# KiCad board Logic_tabor.kicad_pcb (continued)
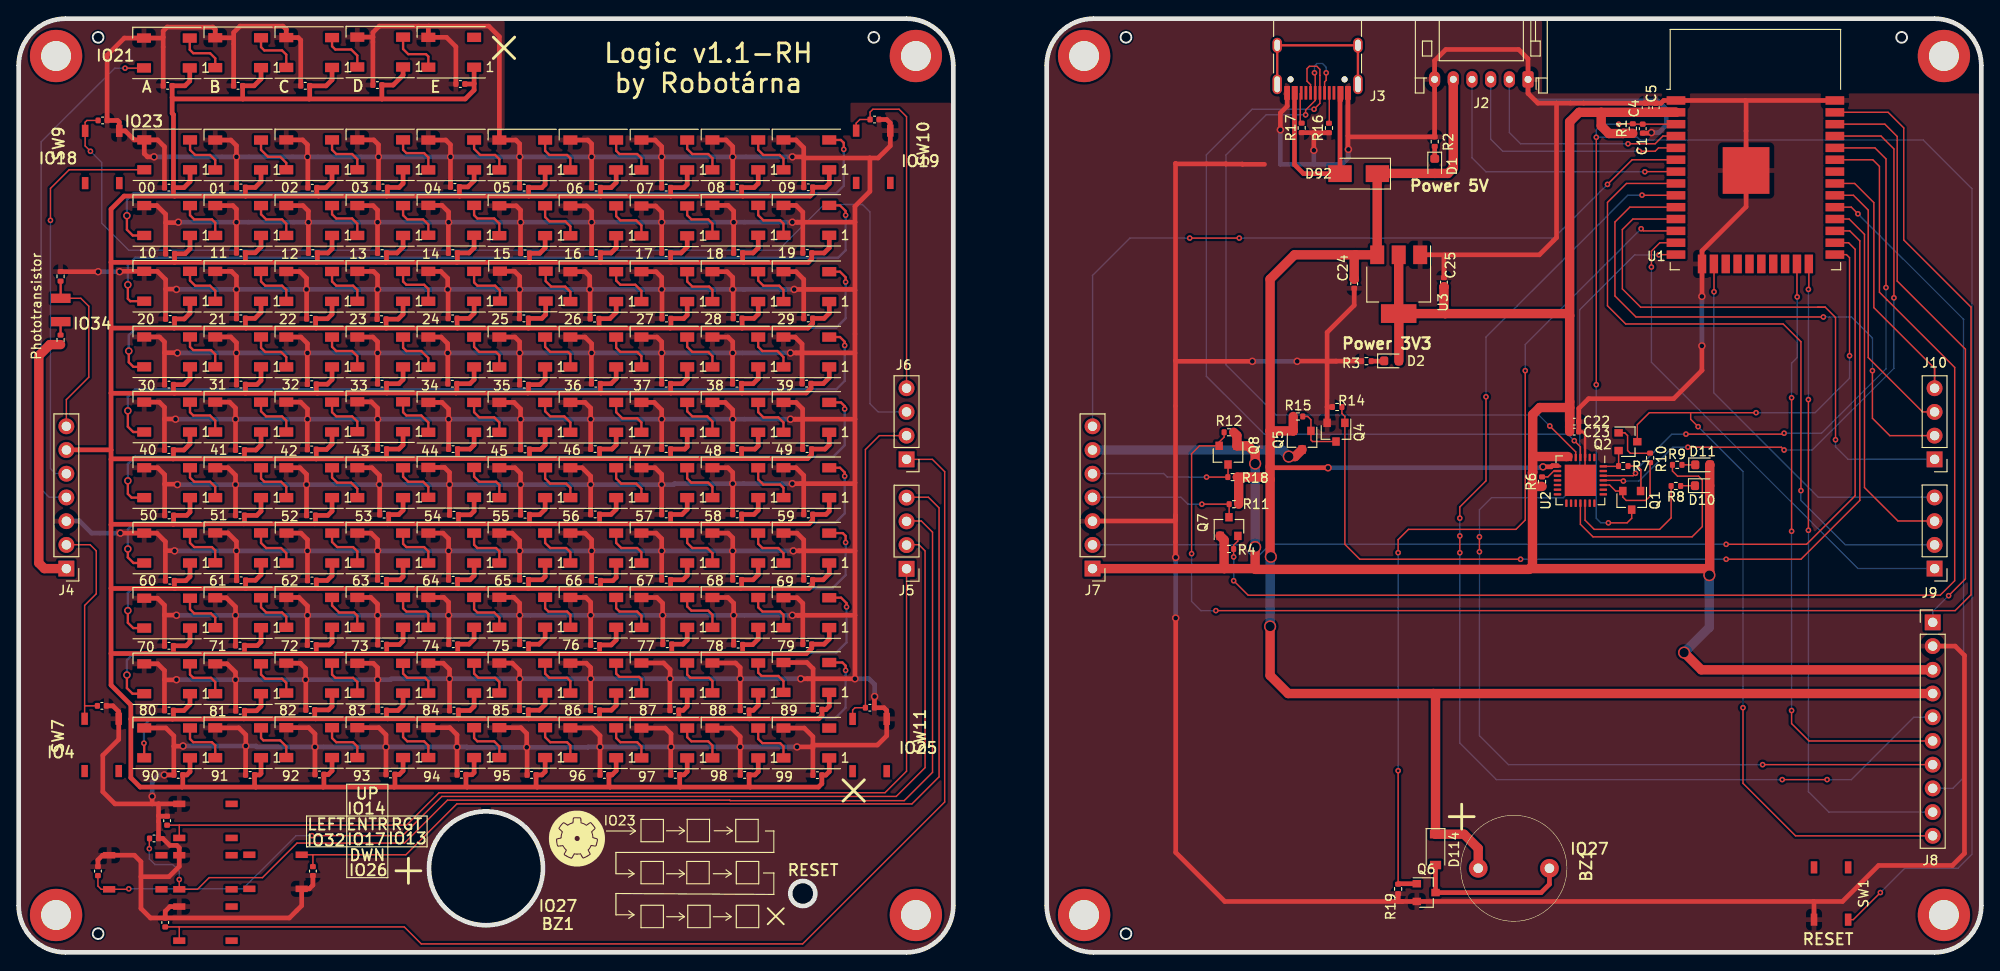
[diagram p0: board, top side]
## Routing (per net, layer and track width the routed paths; a pad name or vN(x,y) marks a point on that pad's centre or on a via; arc(x,y) is an arc through that point) (continued)
/ovladaci_prvky.sch/herni_pole_LED.sch/8.sch/DATA_OUT: length 88.6
  Top w0.25: v1(88.38,65) 88.38,65.4 87.88,65.9 D51.2 ; D52.4 12.25,55.73 11.68,56.3 v2(11.68,58)
  Bottom w0.25: v1(88.38,65) 88.38,61.2 87.48,60.3 12.48,60.3 11.68,59.5 v2(11.68,58)
/ovladaci_prvky.sch/herni_pole_LED.sch/10.sch/DATA_IN: length 5.3
  Top w0.25: D57.4 51.43,56.75 50.88,57.3 49.28,57.3 48.73,57.85 D56.2
/ovladaci_prvky.sch/herni_pole_LED.sch/10.sch/DATA_OUT: length 88.7
  Top w0.25: D61.2 87.98,58.9 88.38,58.5 v1(88.38,58.2) ; D62.4 12.08,48.7 11.68,49.1 v2(11.68,50.5)
  Bottom w0.25: v2(11.68,50.5) 11.68,52.3 12.48,53.1 87.18,53.1 88.38,54.3 v1(88.38,58.2)
/ovladaci_prvky.sch/herni_pole_LED.sch/11.sch/DATA_OUT: length 5.4
  Top w0.25: D67.4 51.43,50.05 51.08,50.4 49.28,50.4 48.73,50.95 D66.2
/ovladaci_prvky.sch/herni_pole_LED.sch/12.sch/DATA_OUT: length 88.7
  Top w0.25: D71.2 87.88,51.9 88.38,51.4 v1(88.38,51) ; D72.4 12.28,41.7 11.68,42.3 v2(11.68,43.2)
  Bottom w0.25: v2(11.68,43.2) 11.68,45.3 12.38,46 87.38,46 88.38,47 v1(88.38,51)
/ovladaci_prvky.sch/herni_pole_LED.sch/13.sch/DATA_OUT: length 5.5
  Top w0.25: D77.4 51.43,42.95 51.08,43.3 49.08,43.3 48.73,43.65 D76.2
/ovladaci_prvky.sch/herni_pole_LED.sch/14.sch/DATA_OUT: length 88.8
  Top w0.25: D81.2 88.18,44.9 88.48,44.6 v1(88.48,43.9) ; D82.4 12.25,34.73 11.68,35.3 v2(11.68,36.6)
  Bottom w0.25: v1(88.48,43.9) 88.48,40.4 87.08,39 12.18,39 11.68,38.5 v2(11.68,36.6)
/ovladaci_prvky.sch/herni_pole_LED.sch/15.sch/DATA_OUT: length 5.4
  Top w0.25: D86.2 48.73,36.75 49.08,36.4 50.88,36.4 51.43,35.85 D87.4
/ovladaci_prvky.sch/herni_pole_LED.sch/16.sch/DATA_OUT: length 89.2
  Top w0.25: v1(88.58,37) 88.58,37.4 88,37.98 D91.2 ; D93.4 12.18,27.7 11.58,28.3 v2(11.58,29.7)
  Bottom w0.25: v1(88.58,37) 88.58,33.2 87.48,32.1 12.38,32.1 11.58,31.3 v2(11.58,29.7)
/ovladaci_prvky.sch/herni_pole_LED.sch/17.sch/DATA_OUT: length 5.4
  Top w0.25: D97.2 48.73,29.85 49.18,29.4 50.98,29.4 51.43,28.95 D98.4
/ovladaci_prvky.sch/herni_pole_LED.sch/18.sch/DATA_OUT: length 85.7
  Top w0.25: v1(88.48,30.2) 88.48,30.7 88.14,31.04 D102.2 ; v1(13.4,22.4) 13.43,22.37 D103.4
  Bottom w0.25: v1(13.4,22.4) 13.4,24.3 14.2,25.1 87.38,25.1 88.48,26.2 v1(88.48,30.2)
/ovladaci_prvky.sch/herni_pole_LED.sch/19.sch/DATA_OUT: length 5.4
  Top w0.25: D107.2 48.73,22.95 49.08,22.6 50.88,22.6 51.43,22.05 D108.4
/ovladaci_prvky.sch/SENZOR_SVETLA: length 19
  Top w0.15: Q3.2 6.65,70.05 7.5,69.2 7.5,61.6 5.1,59.2 J4.7
  Top w0.25: 4.49,70.08 4.49,71.88 R13.1
/ovladaci_prvky.sch/SW_2: length 122.7
  Top w0.15: C11.2 13.98,12.18 v1(13.98,11.1) ; 95,46.2 96.58,46.2 97.78,45 97.78,19.28 94.75,16.25 76.13,16.25 76.08,16.3 45.88,16.3 41.28,11.7 29.78,11.7 26.08,8 20.38,8 19.13,6.75 SW2.1 v1(17.18,7.8)
  Bottom w0.15: v1(17.18,7.8) 17.18,8.7 16.48,9.4 14.58,9.4 13.98,10 v1(13.98,11.1)
/ovladaci_prvky.sch/SW_3: length 105.7
  Top w0.15: 31.43,10.45 41.43,10.45 46.88,15.9 95.58,15.9 98.48,18.8 98.48,47.6 97.34,48.74 95,48.74 ; 31.43,10.45 31.48,10.4 C12.2 ; 31.43,10.45 SW3.1
/ovladaci_prvky.sch/SW_4: length 120.6
  Top w0.15: C13.2 8.48,7.1 8.83,6.75 SW4.1 11.73,6.75 v1(11.78,6.8) ; 95,43.66 96.32,43.66 96.98,43 96.98,19.78 93.9,16.7 45.28,16.7 41.08,12.5 v1(31.38,12.5)
  Bottom w0.15: v1(11.78,6.8) 23.98,6.8 29.68,12.5 v1(31.38,12.5)
/ovladaci_prvky.sch/SW_5: length 104.6
  Top w0.15: 95,41.12 95,19.4 92.7,17.1 44.98,17.1 41.5,13.62 17.2,13.62 ; C14.2 17.2,13.62 ; 17.2,13.62 17.18,13.6 SW5.1
/ovladaci_prvky.sch/SW_7: length 23.4
  Top w0.15: 7.05,26.42 7.05,37.16 8.3,38.4 8.3,43 7.64,43.66 5,43.66 ; 7.05,26.42 7.08,26.4 C126.2 ; 7.05,26.42 SW7.1
/ovladaci_prvky.sch/SW_8: length 131.9
  Top w0.15: SW8.1 17.18,2.7 17.16,2.72 ; 17.16,2.72 41.26,2.72 43.08,0.9 83.88,0.9 99.08,16.1 99.08,51.48 97.76,52.8 J6.1 ; 17.16,2.72 C17.2
/ovladaci_prvky.sch/SW_9: length 123.6
  Top w0.15: v1(7.68,85.8) 7.11,86.37 SW9.1 7.11,88.91 7.3,89.1 C18.2
  Bottom w0.15: v1(7.68,85.8) 8.88,84.6 8.88,78.1 11.78,75.2 81.28,75.2 86.18,80.1 90.28,80.1 91.08,79.3 91.08,58.77 91.97,57.88 J6.3
/ovladaci_prvky.sch/SW_10: length 36.7
  Top w0.15: J6.4 95,89.5 94.2,90.3 91.4,90.3 91.1,90 C19.2 90,89.2 89.61,88.81 SW10.1
/ovladaci_prvky.sch/SW_11: length 35.1
  Top w0.15: SW11.1 89.23,25.95 89.48,26.2 C20.2 90.6,53.85 92.09,55.34 J6.2
/ovladaci_prvky.sch/V_LED_1: length 1299.8
  Top w0.5: 24.07,31.99 24.16,32.08 C96.1 25.53,32.85 25.93,33.25 D83.1 ; 24.07,31.99 16.47,31.99 ; 24.07,31.99 31.89,31.99 ; 31.89,31.99 31.84,32.04 C97.1 33.2,32.92 33.53,33.25 D84.1 ; 31.89,31.99 39.39,31.99 ; 31.83,52.85 39.33,52.85 ; 31.83,52.85 24.23,52.85 ; 31.83,52.85 31.84,52.86 C67.1 32.94,53.86 33.53,54.45 D54.1 ; 39.33,52.85 42.69,52.85 42.72,52.88 84.4,52.88 84.84,53.32 C74.1 86.28,53.9 86.73,54.35 D61.1 ; 39.33,52.85 39.36,52.88 C68.1 40.68,53.9 41.13,54.35 D55.1 ; 77.58,73.9 84.48,73.9 84.86,74.28 C44.1 86.18,74.9 86.73,75.45 D31.1 ; 77.58,73.9 69.78,73.9 ; 77.58,73.9 77.46,74.02 C43.1 78.58,74.9 79.13,75.45 D30.1 ; D64.1 33.53,47.25 33.08,46.8 C77.1 31.76,45.98 31.68,45.9 ; 9.88,45.8 9.88,52.8 ; 9.88,45.8 9.88,39 ; 9.88,45.8 9.93,45.85 16.53,45.85 ; 9.88,52.8 9.88,53.8 ; 9.88,52.8 9.93,52.85 16.53,52.85 ; D109.1 63.93,19.45 63.48,19 C121.1 63.16,17.82 63.28,17.7 ; 16.53,52.85 24.23,52.85 ; 16.53,52.85 16.56,52.88 C65.1 17.68,53.8 18.33,54.45 D52.1 ; 24.23,52.85 24.16,52.92 C66.1 25.38,53.8 25.93,54.35 D53.1 ; D17.1 56.33,82.25 55.98,81.9 C3.1 54.56,81.02 54.58,81 ; 32.08,81 31.9,81.18 C33.1 32.87,81.89 33.53,82.55 D14.1 ; 32.08,81 39.38,81 ; 32.08,81 24.28,81 ; 46.87,31.99 46.98,32.1 C99.1 48.18,33 48.73,33.55 D86.1 ; 46.87,31.99 54.59,31.99 ; 46.87,31.99 39.39,31.99 ; D6.1 41.13,93.95 40.07,92.89 C10.1 38.86,91.42 38.88,91.4 ; D68.1 63.93,47.45 63.38,46.9 C81.1 62.16,45.92 62.18,45.9 ; 24.18,73.9 24.26,73.98 C36.1 25.3,74.92 25.93,75.55 D23.1 ; 24.18,73.9 31.88,73.9 ; 24.18,73.9 16.68,73.9 ; 16.46,24.98 12.02,24.98 12,25 ; 16.46,24.98 19.75,24.98 19.78,25.01 24.09,25.01 ; 16.46,24.98 16.56,25.08 C105.1 17.68,25.9 18.33,26.55 D93.1 ; 9.88,39 9.88,32 ; 9.88,39 9.91,38.97 16.71,38.97 ; D48.1 63.93,61.45 63.38,60.9 C61.1 62.24,59.96 62.29,59.91 ; 39.38,81 47.18,81 ; 39.38,81 39.46,81.08 C34.1 40.7,81.92 41.13,82.35 D15.1 ; D108.1 56.33,19.35 55.98,19 C120.1 55.36,17.82 55.48,17.7 ; 63.28,17.7 70.78,17.7 ; 63.28,17.7 55.48,17.7 ; 62.18,45.9 69.88,45.9 ; 62.18,45.9 54.78,45.9 ; 69.88,45.9 69.76,46.02 C82.1 70.98,46.9 71.53,47.45 D69.1 ; 69.88,45.9 77.38,45.9 ; D5.1 33.53,93.45 32.88,92.8 31.15,92.8 C9.1 31.14,91.46 31.08,91.4 ; 47.98,17.7 55.48,17.7 ; 47.98,17.7 40.18,17.7 ; 47.98,17.7 47.86,17.82 C119.1 48.5,19.02 48.73,19.25 D107.1 ; D63.1 25.93,47.25 25.48,46.8 C76.1 24.16,45.98 24.08,45.9 ; 24.32,66.86 24.26,66.92 C46.1 25.28,67.9 25.93,68.55 D33.1 ; 24.32,66.86 16.64,66.86 ; 24.32,66.86 31.82,66.86 ; 39.49,25.01 47.07,25.01 ; 39.49,25.01 39.36,25.14 C108.1 40.58,25.9 41.13,26.45 D96.1 ; 39.49,25.01 31.77,25.01 ; 47.07,25.01 47.06,25.02 C109.1 48.28,25.9 48.73,26.35 D97.1 ; 47.07,25.01 54.57,25.01 ; D98.1 56.33,26.55 55.71,25.93 C110.1 54.54,25.04 54.57,25.01 ; D22.1 18.33,75.35 17.8,74.82 C35.1 16.68,73.9 ; 39.39,59.91 35.12,59.91 35.09,59.88 31.96,59.88 ; 39.39,59.91 46.79,59.91 ; 39.39,59.91 39.36,59.94 C58.1 40.68,60.9 41.13,61.35 D45.1 ; 40.18,17.7 32.58,17.7 ; 40.18,17.7 40.26,17.78 C118.1 40.73,19.05 41.13,19.45 D106.1 ; 69.72,66.86 69.79,66.93 C52.1 71.16,67.88 71.53,68.25 D39.1 ; 69.72,66.86 77.42,66.86 ; 69.72,66.86 62.14,66.86 ; 69.79,59.91 77.39,59.91 ; 69.79,59.91 62.29,59.91 ; 69.79,59.91 69.76,59.94 C62.1 70.98,60.9 71.53,61.45 D49.1 ; 77.39,59.91 84.27,59.91 84.78,60.42 C64.1 86.09,60.91 86.73,61.55 D51.1 ; 77.39,59.91 77.34,59.96 C63.1 78.58,60.9 79.13,61.45 D50.1 ; D3.1 18.3,93.32 17.79,92.81 C7.1 16.42,91.56 ; D95.1 33.53,26.35 33.14,25.96 C107.1 31.68,25.1 31.77,25.01 ; 16.53,45.85 19.9,45.85 19.95,45.9 24.08,45.9 ; 16.53,45.85 16.58,45.9 C75.1 17.98,46.8 18.33,47.15 D62.1 ; 16.42,91.56 16.42,89.86 16.56,89.72 C31.1 ; 16.42,91.56 16.58,91.4 23.98,91.4 ; 46.79,59.91 46.88,60 C59.1 48.28,60.9 48.73,61.35 D46.1 ; 46.79,59.91 54.47,59.91 ; D88.1 63.93,33.45 63.4,32.92 C101.1 62.16,32.08 62.07,31.99 ; 9.88,59.9 9.9,59.88 16.66,59.88 ; 9.88,59.9 9.88,66.8 ; 9.88,59.9 9.88,53.8 ; 23.98,91.4 23.96,91.42 C8.1 25.19,92.81 25.93,93.55 D4.1 ; 23.98,91.4 31.08,91.4 ; 24.08,45.9 31.68,45.9 ; 70.78,17.7 70.73,17.75 C122.1 71.19,19.01 71.53,19.35 D110.1 ; 70.78,17.7 78.28,17.7 ; D60.1 79.13,54.25 78.78,53.9 C73.1 77.36,52.92 77.38,52.9 ; 24.26,59.88 C56.1 25.49,60.81 25.93,61.25 D43.1 ; 24.26,59.88 31.96,59.88 ; 24.26,59.88 16.66,59.88 ; 31.88,73.9 39.28,73.9 ; 31.88,73.9 31.96,73.98 C37.1 33.08,74.9 33.53,75.35 D24.1 ; 39.28,73.9 46.88,73.9 ; 39.28,73.9 39.36,73.98 C38.1 40.48,74.9 41.13,75.55 D25.1 ; 62.09,25.01 62.16,25.08 C111.1 63.41,25.93 63.93,26.45 D99.1 ; 62.09,25.01 54.57,25.01 ; 62.09,25.01 70.67,25.01 ; D57.1 56.33,54.35 55.85,53.87 C70.1 54.66,52.92 ; D12.1 18.34,82.56 17.68,81.9 C31.1 ; 46.88,73.9 54.68,73.9 ; 46.88,73.9 46.94,73.96 C39.1 48.18,74.9 48.73,75.45 D26.1 ; 62.28,81 62.26,81.02 C6.1 63.38,81.9 63.93,82.45 D18.1 ; 62.28,81 69.78,81 ; 62.28,81 54.58,81 ; 77.37,31.99 77.46,32.08 C103.1 78.53,32.95 79.13,33.55 D90.1 ; 77.37,31.99 84.27,31.99 84.86,32.58 C104.1 86.18,33 86.73,33.55 D91.1 ; 77.37,31.99 69.87,31.99 ; 16.47,31.99 13.57,31.99 13.56,32 9.88,32 ; 16.47,31.99 16.56,32.08 C95.1 17.91,32.83 18.33,33.25 D82.1 ; 77.48,81 84.68,81 84.96,81.28 C21.1 86.32,81.94 86.73,82.35 D21.1 ; 77.48,81 69.78,81 ; 77.48,81 77.36,81.12 C16.1 78.69,81.91 79.13,82.35 D20.1 ; 32.58,17.7 32.66,17.78 C117.1 33.13,19.05 33.53,19.45 D105.1 ; 32.58,17.7 25.38,17.7 ; 33.53,41.7 33.53,40.35 33.01,39.83 C87.1 31.86,39.12 32.01,38.97 ; 17.48,17.7 13,17.7 12,18.7 12,25 ; 17.48,17.7 25.38,17.7 ; 17.48,17.7 17.56,17.78 C115.1 17.98,19 18.33,19.35 D103.1 ; 38.88,91.4 31.08,91.4 ; 38.88,91.4 47.78,91.4 48.73,92.35 48.73,93.05 ; D67.1 56.33,47.45 55.75,46.87 C80.1 54.66,46.02 54.78,45.9 ; 46.94,66.86 54.54,66.86 ; 46.94,66.86 39.34,66.86 ; 46.94,66.86 46.91,66.89 C49.1 48.18,67.9 48.73,68.45 D36.1 ; 54.54,66.86 62.14,66.86 ; 54.54,66.86 C50.1 55.98,67.9 56.39,68.31 D37.1 ; D28.1 63.93,75.45 63.38,74.9 C41.1 62.26,73.92 62.28,73.9 ; 69.87,31.99 69.88,32 C102.1 71.08,33 71.53,33.45 D89.1 ; 69.87,31.99 62.07,31.99 ; 24.31,38.97 24.28,39 C86.1 25.33,39.85 25.93,40.45 D73.1 ; 24.31,38.97 16.71,38.97 ; 24.31,38.97 32.01,38.97 ; 77.25,38.97 77.36,39.08 C93.1 78.58,39.9 79.13,40.45 D80.1 ; 77.25,38.97 84.55,38.97 84.96,39.38 C94.1 86.08,39.9 86.73,40.55 D81.1 ; 77.25,38.97 69.81,38.97 ; D32.1 18.33,68.45 17.72,67.84 C45.1 16.68,66.9 16.64,66.86 ; 62.31,38.97 69.81,38.97 ; 62.31,38.97 54.51,38.97 ; 62.31,38.97 62.26,39.02 C91.1 63.58,39.8 63.93,40.15 D78.1 ; 69.81,38.97 69.76,39.02 C92.1 71.08,39.9 71.53,40.35 D79.1 ; 16.68,73.9 9.88,73.9 ; 9.88,73.9 9.88,66.8 ; 9.88,73.9 9.88,79.6 11.28,81 16.68,81 ; 16.64,66.86 9.94,66.86 9.88,66.8 ; 54.47,59.91 54.56,60 C60.1 55.78,60.8 56.33,61.35 D47.1 ; 54.47,59.91 62.29,59.91 ; 16.68,81 24.28,81 ; 16.68,81 16.56,81.12 C31.1 ; 24.28,81 24.26,81.02 C32.1 25.3,81.92 25.93,82.55 D13.1 ; 70.67,25.01 78.17,25.01 ; 70.67,25.01 70.64,25.04 C112.1 71.1,25.92 71.53,26.35 D100.1 ; 78.17,25.01 85.59,25.01 85.96,25.38 C114.1 86.38,26 86.73,26.35 D102.1 ; 78.17,25.01 78.16,25.02 C113.1 78.6,25.92 79.13,26.45 D101.1 ; 16.71,38.97 16.66,39.02 C85.1 17.88,39.8 18.33,40.25 D72.1 ; 62.07,31.99 54.59,31.99 ; 62.28,73.9 69.78,73.9 ; 62.28,73.9 54.68,73.9 ; 69.78,73.9 69.76,73.92 C42.1 70.88,74.9 71.53,75.55 D29.1 ; 9.88,32 9.88,28.62 12,26.5 12,25 ; 54.59,31.99 54.56,32.02 C100.1 55.68,33 56.33,33.65 D87.1 ; D65.1 41.13,47.35 40.66,46.88 C78.1 39.59,46.01 39.48,45.9 ; 25.38,17.7 25.24,17.84 C116.1 25.78,19 25.93,19.15 D104.1 ; 39.34,66.86 31.82,66.86 ; 39.34,66.86 39.31,66.89 C48.1 40.6,67.82 41.13,68.35 D35.1 ; D71.1 86.73,47.25 86.38,46.9 C84.1 84.96,46.28 84.58,45.9 77.38,45.9 ; D85.1 41.13,33.35 40.74,32.96 C98.1 39.38,32 39.39,31.99 ; 54.68,73.9 54.66,73.92 C40.1 55.75,74.87 56.33,75.45 D27.1 ; 9.88,53.8 9.86,53.82 5,53.82 ; D58.1 63.93,54.35 63.48,53.9 C71.1 62.16,53.02 ; D77.1 56.33,40.25 55.98,39.9 C90.1 54.56,39.02 54.51,38.97 ; D76.1 48.73,40.35 48.28,39.9 C89.1 46.96,39.02 47.01,38.97 ; 47.18,81 47.16,81.02 C2.1 48.06,81.98 48.73,82.65 D16.1 ; 47.18,81 54.58,81 ; 39.41,38.97 39.36,39.02 C88.1 40.78,39.9 41.13,40.25 D75.1 ; 39.41,38.97 32.01,38.97 ; 39.41,38.97 47.01,38.97 ; 69.78,81 69.76,81.02 C15.1 71.18,81.9 71.53,82.25 D19.1 ; D38.1 63.93,68.55 63.25,67.87 C51.1 62.1,66.9 62.14,66.86 ; 16.66,59.88 16.56,59.98 C55.1 17.68,60.8 18.33,61.45 D42.1 ; 54.51,38.97 47.01,38.97 ; 78.28,17.7 78.16,17.82 C123.1 78.78,19 79.13,19.35 D111.1 ; 78.28,17.7 85.58,17.7 85.94,18.06 C124.1 86.36,18.98 86.73,19.35 D112.1 ; D41.1 86.73,68.45 86.18,67.9 C54.1 84.96,67.38 84.44,66.86 77.42,66.86 ; 31.96,59.88 31.84,60 C57.1 33.03,60.85 33.53,61.35 D44.1 ; 77.42,66.86 77.41,66.87 C53.1 78.68,67.9 79.13,68.35 D40.1 ; 24.09,25.01 24.18,25.1 C106.1 25.45,25.87 25.93,26.35 D94.1 ; 24.09,25.01 31.77,25.01 ; 48.73,93.05 48.68,93 C125.1 ; 48.73,93.05 D113.1 ; D56.1 48.73,54.35 48.28,53.9 C69.1 46.96,53.02 ; 47.18,45.9 47.06,46.02 C79.1 48.34,46.86 48.73,47.25 D66.1 ; 47.18,45.9 39.48,45.9 ; 47.18,45.9 54.78,45.9 ; 77.38,45.9 77.36,45.92 C83.1 78.68,46.9 79.13,47.35 D70.1 ; 31.68,45.9 39.48,45.9 ; 31.82,66.86 31.77,66.91 C47.1 33.04,67.86 33.53,68.35 D34.1 ; 69.78,52.9 69.76,52.92 C72.1 71.28,53.9 71.53,54.15 D59.1
DATA_HERNI_LED_LS: length 166.3
  Top w0.15: U1.37 200.03,89.97 201.7,88.3 201.7,76.3 208.9,69.1 208.9,38.3 207.2,36.6 v1(128.1,36.6) ; v1(125.5,42.7) 125.5,53.4 126.35,54.25 Q8.2 128.45,54.65 128.98,55.18 R12.2
  Bottom w0.15: v1(128.1,36.6) 126.5,36.6 125.5,37.6 v1(125.5,42.7)
DATA_ZADANI_LED_LS: length 136.2
  Top w0.15: U1.33 198.39,84.89 199.1,84.18 199.1,70.7 199.9,69.9 207.15,62.65 207.15,39.8 205.6,38.25 131.55,38.25 v1(130,39.8) ; v1(130,42.35) R4.2 130,43.6 130.45,44.05 Q7.2
  Bottom w0.15: v1(130,39.8) v1(130,42.35)
EN: length 185.5
  Top w0.15: SW1.1 196.3,3.5 v1(199.2,6.4) ; v1(171.2,88.7) 171.24,88.74 R1.2 172.75,88.7 C1.1 U1.3 ; v1(168.8,60.8) v1(168.8,87.3) ; Q1.3 172.59,46.49 172.1,46 v1(170.1,46)
  Bottom w0.15: v1(199.2,6.4) 201.8,9 207.5,9 209,10.5 209,81.8 203.8,87 173.5,87 173.2,87.3 v1(168.8,87.3) 168.8,88.1 169.4,88.7 v1(171.2,88.7) ; v1(168.8,60.8) 168.8,46.5 169.3,46 v1(170.1,46)
IO0: length 106.2
  Top w0.15: 178.9,57.8 v1(185.9,57.8) ; 178.9,57.8 174.48,57.8 173.19,56.51 Q2.3 ; 178.9,57.8 178.9,57.1 v1(179.7,56.3) ; v1(184.5,26.2) 184.5,18.1 190.12,12.48 205.2,12.48 ; U1.25 195.57,74.73 195.9,74.4 v1(195.9,63.9)
  Bottom w0.15: v1(179.7,56.3) 184.5,51.5 v1(184.5,26.2) ; v1(195.9,63.9) 195.9,61.5 192.2,57.8 v1(185.9,57.8)
IO2: length 71.2
  Top w0.15: 191.54,73.73 191.54,71.05 v1(191.5,71) ; v1(191.5,59.2) v1(191.5,45.2)
  Bottom w0.15: v1(191.5,45.2) 191.5,17.2 193.68,15.02 205.2,15.02 ; v1(191.5,71) v1(191.5,59.2)
IO5: length 71.2
  Top w0.15: v1(196.8,79.1) 196.09,79.81 U1.29
  Bottom w0.15: 205.2,17.56 206.96,17.56 208.1,18.7 208.1,67.8 v1(196.8,79.1)
IO12: length 117.5
  Top w0.15: 205.2,20.1 v1(186.6,20.1) ; U1.14 175.53,74.73 v1(175.5,74.7) ; v1(156.3,42.9) v1(156.3,44.5)
  Bottom w0.15: v1(156.3,42.9) 156.3,23.2 159.4,20.1 v1(186.6,20.1) ; v1(175.5,74.7) 172.9,74.7 167.03,68.83 167.03,50.43 165.3,48.7 157.6,48.7 156.3,47.4 v1(156.3,44.5)
IO15: length 65.8
  Top w0.15: U1.23 190.28,70.22 v1(190.3,70.2) ; 205.2,22.64 191.56,22.64 189.7,24.5 v1(189.7,25.9) ; v1(189.7,59.4) v1(189.7,45.1)
  Bottom w0.15: v1(190.3,70.2) 190.3,63.7 189.7,63.1 v1(189.7,59.4) ; v1(189.7,45.1) v1(189.7,25.9)
IO22: length 63.7
  Top w0.15: U1.36 199.68,88.7 201,87.38 201,71.9 208.3,64.6 208.3,40 v1(206.5,38.2)
  Bottom w0.15: v1(206.5,38.2) 204.8,36.5 J8.1
IO33: length 126.7
  Top w0.15: v1(154.2,46.5) 154.2,47.7 157,50.5 v1(157,59.5) ; v1(154.2,44.6) v1(154.2,42.8) ; U1.9 173.72,81.08 v1(173.7,81.1) ; v1(188.7,18.5) v1(193.5,18.5)
  Bottom w0.15: 205.2,25.18 202.78,25.18 196.1,18.5 v1(193.5,18.5) ; v1(154.2,42.8) 154.2,22.4 158.1,18.5 v1(188.7,18.5) ; v1(154.2,46.5) v1(154.2,44.6) ; v1(173.7,81.1) 172.2,81.1 157,65.9 v1(157,59.5)
PIEZO: length 93.6
  Top w0.15: v1(147.6,42.8) 147.6,44.2 148.7,45.3 160.2,45.3 161.2,46.3 v1(161.2,62.3) ; R19.2 v1(147.6,19.45) ; U1.12 173.83,77.27 v1(173.6,77.5)
  Top w0.5: Q6.1 147.65,7.35 R19.2
  Bottom w0.15: v1(161.2,62.3) 161.2,65.1 v1(173.6,77.5) ; v1(147.6,42.8) v1(147.6,19.45)
RX_ESP: length 63.6
  Top w0.15: U1.34 198.62,86.16 199.8,84.98 v1(199.8,71.2) ; v1(173,51.3) 172.75,51.05 U2.26 ; v1(188.9,55.6) 188.8,55.5 v1(178.4,55.5)
  Bottom w0.15: v1(188.9,55.6) 192.9,55.6 199.8,62.5 v1(199.8,71.2) ; v1(173,51.3) 173,51.6 176.9,55.5 v1(178.4,55.5)
TX_ESP: length 66.8
  Top w0.15: U2.25 171.62,50.55 v1(171.7,50.48) ; v1(178.6,54.1) 188.6,54.1 v1(188.9,53.8) ; U1.35 199.27,87.43 200.65,86.05 v1(200.65,70.1)
  Bottom w0.15: v1(178.6,54.1) 177,54.1 173.38,50.48 v1(171.7,50.48) ; v1(200.65,70.1) 200.65,62.55 191.9,53.8 v1(188.9,53.8)
VSTUP1: length 26.9
  Top w0.15: v1(173.4,85.8) 175.1,85.8 175.46,86.16 U1.5
  Bottom w0.15: v1(173.4,85.8) 158.8,85.8 157.5,87.1 J2.3
VSTUP2: length 24.4
  Top w0.15: U1.4 175.93,87.43 175.1,86.6 v1(172.2,86.6)
  Bottom w0.15: v1(172.2,86.6) 160.7,86.6 159.5,87.8 J2.2
VSTUP3: length 30.9
  Top w0.15: U1.7 174.02,83.62 v1(174,83.6)
  Bottom w0.15: J2.4 155.5,85.1 157,83.6 v1(174,83.6)
ZAPINANI_1_CAST_LED: length 104.1
  Top w0.15: v1(182.7,42.1) 190.7,42.1 197,48.4 197,76.2 195.93,77.27 U1.27 ; R14.1 141.58,57.72 141.9,57.4 Q4.1 141.9,43.7 143.5,42.1 v1(160.7,42.1)
  Bottom w0.15: v1(182.7,42.1) v1(160.7,42.1)
Net-(BZ1-Pad2): length 17.2
  Top w0.5: D114.2 Q6.3 162.9,6.4 163.79,7.29 BZ1.2
Net-(D1-Pad1): length 1.3
  Top w0.5: D1.1 151.51,85 R2.2
Net-(D2-Pad1): length 1.4
  Top w0.5: R3.2 146.08,63.32 D2.1
Net-(D3-Pad2): length 5.4
  Top w0.25: D4.4 21.03,95.75 20.48,96.3 18.68,96.3 18.3,96.68 D3.2
Net-(D4-Pad2): length 5.4
  Top w0.25: D5.4 28.63,96.15 28.18,96.6 26.28,96.6 25.93,96.95 D4.2
Net-(D5-Pad2): length 5.3
  Top w0.25: D6.4 36.23,96.05 35.58,96.7 33.88,96.7 33.53,97.05 D5.2
Net-(D10-Pad1): length 1.5
  Top w0.15: R8.1 177.86,49.98 D10.1
Net-(D11-Pad1): length 1.4
  Top w0.15: D11.1 R9.1
Net-(D12-Pad2): length 5.3
  Top w0.25: D12.2 18.34,85.94 18.88,85.4 20.48,85.4 21.03,84.85 D13.4
Net-(D13-Pad2): length 5.1
  Top w0.25: D13.2 25.93,85.95 26.68,85.2 27.98,85.2 28.63,84.55 D14.4
Net-(D14-Pad2): length 5.3
  Top w0.25: D15.4 36.23,84.95 35.68,85.5 33.98,85.5 33.53,85.95 D14.2
Net-(D15-Pad2): length 5.4
  Top w0.25: D15.2 41.13,85.95 41.48,85.6 43.38,85.6 43.83,85.15 D16.4
Net-(D17-Pad2): length 5.4
  Top w0.25: D18.4 59.03,85.05 58.68,85.4 56.78,85.4 56.33,85.85 D17.2
Net-(D18-Pad2): length 5.4
  Top w0.25: D19.4 66.63,85.05 66.18,85.5 64.28,85.5 63.93,85.85 D18.2
Net-(D19-Pad2): length 5.3
  Top w0.25: D19.2 71.53,86.05 72.08,85.5 73.78,85.5 74.23,85.05 D20.4
Net-(D20-Pad2): length 5.3
  Top w0.25: D21.4 81.83,85 81.43,85.4 79.68,85.4 79.13,85.95 D20.2
Net-(D22-Pad2): length 5.4
  Top w0.25: D23.4 21.03,78.15 20.68,78.5 18.78,78.5 18.33,78.95 D22.2
Net-(D23-Pad2): length 5.3
  Top w0.25: D23.2 25.93,79.05 26.48,78.5 28.18,78.5 28.63,78.05 D24.4
Net-(D24-Pad2): length 5.3
  Top w0.25: D25.4 36.23,78.05 35.68,78.6 33.98,78.6 33.53,79.05 D24.2
Net-(D25-Pad2): length 5.3
  Top w0.25: D26.4 43.83,77.95 43.28,78.5 41.58,78.5 41.13,78.95 D25.2
Net-(D27-Pad2): length 5.3
  Top w0.25: D28.4 59.03,77.75 58.48,78.3 56.78,78.3 56.33,78.75 D27.2
Net-(D28-Pad2): length 5.3
  Top w0.25: D28.2 63.93,78.85 64.38,78.4 66.08,78.4 66.63,77.85 D29.4
Net-(D29-Pad2): length 5.3
  Top w0.25: D29.2 71.53,78.95 71.98,78.5 73.78,78.5 74.23,78.05 D30.4
Net-(D30-Pad2): length 5.4
  Top w0.25: D31.4 81.83,78.05 81.48,78.4 79.68,78.4 79.13,78.95 D30.2
Net-(D32-Pad2): length 5.3
  Top w0.25: D32.2 18.33,71.95 18.88,71.4 20.48,71.4 21.03,70.85 D33.4
Net-(D33-Pad2): length 5.4
  Top w0.25: D33.2 25.93,71.85 26.38,71.4 28.18,71.4 28.63,70.95 D34.4
Net-(D34-Pad2): length 5.4
  Top w0.25: D35.4 36.23,70.95 35.78,71.4 33.98,71.4 33.53,71.85 D34.2
Net-(D35-Pad2): length 5.4
  Top w0.25: D36.4 43.83,71.05 43.38,71.5 41.48,71.5 41.13,71.85 D35.2
Net-(D37-Pad2): length 5.2
  Top w0.25: D38.4 59.03,70.75 58.48,71.3 56.98,71.3 56.39,71.89 D37.2
Net-(D38-Pad2): length 5.3
  Top w0.25: D38.2 63.93,71.95 64.38,71.5 65.98,71.5 66.63,70.85 D39.4
Net-(D39-Pad2): length 5.4
  Top w0.25: D39.2 71.53,71.85 72.08,71.3 73.88,71.3 74.23,70.95 D40.4
Net-(D40-Pad2): length 5.3
  Top w0.25: D41.4 81.83,70.95 81.38,71.4 79.68,71.4 79.13,71.95 D40.2
Net-(D42-Pad2): length 5.4
  Top w0.25: D43.4 21.03,64.05 20.58,64.5 18.68,64.5 18.33,64.85 D42.2
Net-(D43-Pad2): length 5.3
  Top w0.25: D43.2 25.93,64.75 26.38,64.3 28.08,64.3 28.63,63.75 D44.4
Net-(D44-Pad2): length 5.3
  Top w0.25: D44.2 33.53,64.85 33.98,64.4 35.68,64.4 36.23,63.85 D45.4
Net-(D45-Pad2): length 5.3
  Top w0.25: D46.4 43.83,63.65 43.08,64.4 41.48,64.4 41.13,64.75 D45.2
Net-(D47-Pad2): length 5.4
  Top w0.25: D48.4 59.03,64.05 58.78,64.3 56.88,64.3 56.33,64.85 D47.2
Net-(D48-Pad2): length 5.4
  Top w0.25: D49.4 66.63,63.85 66.18,64.3 64.38,64.3 63.93,64.75 D48.2
Net-(D49-Pad2): length 5.3
  Top w0.25: D50.4 74.23,63.85 73.78,64.3 72.08,64.3 71.53,64.85 D49.2
Net-(D50-Pad2): length 5.3
  Top w0.25: D51.4 81.83,63.75 81.18,64.4 79.58,64.4 79.13,64.85 D50.2
Net-(D52-Pad2): length 5.4
  Top w0.25: D52.2 18.33,57.85 18.68,57.5 20.48,57.5 21.03,56.95 D53.4
Net-(D53-Pad2): length 5.3
  Top w0.25: D53.2 25.93,57.95 26.48,57.4 28.18,57.4 28.63,56.95 D54.4
Net-(D54-Pad2): length 5.3
  Top w0.25: D55.4 36.23,56.85 35.68,57.4 33.98,57.4 33.53,57.85 D54.2
Net-(D55-Pad2): length 5.3
  Top w0.25: D56.4 43.83,56.75 43.08,57.5 41.48,57.5 41.13,57.85 D55.2
Net-(D57-Pad2): length 5.2
  Top w0.25: D57.2 56.33,57.95 56.88,57.4 58.38,57.4 59.03,56.75 D58.4
Net-(D58-Pad2): length 5.3
  Top w0.25: D59.4 66.63,56.75 66.18,57.2 64.58,57.2 63.93,57.85 D58.2
Net-(D59-Pad2): length 5.3
  Top w0.25: D59.2 71.53,57.95 72.08,57.4 73.68,57.4 74.23,56.85 D60.4
Net-(D60-Pad2): length 5.3
  Top w0.25: D60.2 79.13,57.85 79.68,57.3 81.28,57.3 81.83,56.75 D61.4
Net-(D62-Pad2): length 5.3
  Top w0.25: D63.4 21.03,49.85 20.48,50.4 18.78,50.4 18.33,50.85 D62.2
Net-(D63-Pad2): length 5.4
  Top w0.25: D63.2 25.93,50.75 26.28,50.4 28.08,50.4 28.63,49.85 D64.4
Net-(D64-Pad2): length 5.2
  Top w0.25: D65.4 36.23,49.65 35.58,50.3 34.08,50.3 33.53,50.85 D64.2
Net-(D65-Pad2): length 5.2
  Top w0.25: D65.2 41.13,50.95 41.68,50.4 43.28,50.4 43.83,49.85 D66.4
Net-(D67-Pad2): length 5.3
  Top w0.25: D67.2 56.33,50.75 56.88,50.2 58.58,50.2 59.03,49.75 D68.4
Net-(D68-Pad2): length 5.3
  Top w0.25: D69.4 66.63,49.65 66.08,50.2 64.48,50.2 63.93,50.75 D68.2
Net-(D69-Pad2): length 5.4
  Top w0.25: D70.4 74.23,49.85 73.78,50.3 71.98,50.3 71.53,50.75 D69.2
Net-(D70-Pad2): length 5.4
  Top w0.25: D70.2 79.13,50.65 79.68,50.1 81.48,50.1 81.83,49.75 D71.4
Net-(D72-Pad2): length 5.4
  Top w0.25: D73.4 21.03,43.05 20.68,43.4 18.78,43.4 18.33,43.85 D72.2
Net-(D73-Pad2): length 5.3
  Top w0.25: 28.63,41.7 28.63,42.75 28.08,43.3 26.48,43.3 25.93,43.85 D73.2
Net-(D74-Pad2): length 5.3
  Top w0.25: 33.53,44.9 33.53,43.95 34.08,43.4 35.78,43.4 36.23,42.95 D75.4
Net-(D75-Pad2): length 5.4
  Top w0.25: D76.4 43.83,42.95 43.38,43.4 41.48,43.4 41.13,43.75 D75.2
Net-(D77-Pad2): length 5.3
  Top w0.25: D77.2 56.33,43.85 56.88,43.3 58.58,43.3 59.03,42.85 D78.4
Net-(D78-Pad2): length 5.3
  Top w0.25: D79.4 66.63,42.85 66.18,43.3 64.48,43.3 63.93,43.85 D78.2
Net-(D79-Pad2): length 5.3
  Top w0.25: D79.2 71.53,43.85 72.08,43.3 73.68,43.3 74.23,42.75 D80.4
Net-(D80-Pad2): length 5.3
  Top w0.25: D80.2 79.13,43.75 79.58,43.3 81.28,43.3 81.83,42.75 D81.4
Net-(D82-Pad2): length 5.3
  Top w0.25: D83.4 21.03,35.85 20.58,36.3 18.78,36.3 18.33,36.75 D82.2
Net-(D83-Pad2): length 5.3
  Top w0.25: D83.2 25.93,36.95 26.48,36.4 28.18,36.4 28.63,35.95 D84.4
Net-(D84-Pad2): length 5.3
  Top w0.25: D84.2 33.53,37.15 34.28,36.4 35.88,36.4 36.23,36.05 D85.4
Net-(D85-Pad2): length 5.5
  Top w0.25: D85.2 41.13,36.85 41.48,36.5 43.58,36.5 43.83,36.25 D86.4
Net-(D87-Pad2): length 5.5
  Top w0.25: D88.4 59.03,36.15 58.68,36.5 56.68,36.5 56.33,36.85 D87.2
Net-(D88-Pad2): length 5.4
  Top w0.25: D89.4 66.63,36.05 66.18,36.5 64.28,36.5 63.93,36.85 D88.2
Net-(D89-Pad2): length 5.4
  Top w0.25: D90.4 74.23,36.15 73.78,36.6 71.98,36.6 71.53,37.05 D89.2
Net-(D90-Pad2): length 5.5
  Top w0.25: D91.4 81.83,36.15 81.48,36.5 79.58,36.5 79.13,36.95 D90.2
Net-(D92-Pad2): length 21.6
  Top w0.5: J3.A4 141.43,91.27 141.38,91.22 D92.2 137.48,83.4 136.51,84.37 136.51,92.03 J3.A9
Net-(D93-Pad2): length 5.4
  Top w0.25: D94.4 21.03,28.95 20.58,29.4 18.68,29.4 18.33,29.75 D93.2
Net-(D94-Pad2): length 5.3
  Top w0.25: D94.2 25.93,29.75 26.38,29.3 28.18,29.3 28.63,28.85 D95.4
Net-(D95-Pad2): length 5.4
  Top w0.25: D96.4 36.23,28.95 35.78,29.4 33.88,29.4 33.53,29.75 D95.2
Net-(D96-Pad2): length 5.4
  Top w0.25: D96.2 41.13,29.85 41.58,29.4 43.48,29.4 43.83,29.05 D97.4
Net-(D98-Pad2): length 5.4
  Top w0.25: D98.2 56.33,29.85 56.78,29.4 58.68,29.4 59.03,29.05 D99.4
Net-(D100-Pad2): length 5.5
  Top w0.25: D100.2 71.53,29.75 71.88,29.4 73.88,29.4 74.23,29.05 D101.4
Net-(D100-Pad4): length 5.5
  Top w0.25: D99.2 63.93,29.85 64.28,29.5 66.38,29.5 66.63,29.25 D100.4
Net-(D101-Pad2): length 5.3
  Top w0.25: D101.2 79.13,29.95 79.48,29.6 81.28,29.6 81.83,29.05 D102.4
Net-(D103-Pad2): length 5.5
  Top w0.25: D103.2 18.33,22.85 18.68,22.5 20.68,22.5 21.03,22.15 D104.4
Net-(D104-Pad2): length 5.4
  Top w0.25: D105.4 28.63,22.05 27.98,22.7 26.18,22.7 25.93,22.95 D104.2
Net-(D105-Pad2): length 5.4
  Top w0.25: D105.2 33.53,22.95 33.98,22.5 35.78,22.5 36.23,22.05 D106.4
Net-(D106-Pad2): length 5.4
  Top w0.25: D106.2 41.13,23.05 41.58,22.6 43.38,22.6 43.83,22.15 D107.4
Net-(D108-Pad2): length 5.4
  Top w0.25: D109.4 59.03,22.15 58.68,22.5 56.88,22.5 56.33,23.05 D108.2
Net-(D109-Pad2): length 5.4
  Top w0.25: D109.2 63.93,22.95 64.38,22.5 66.18,22.5 66.63,22.05 D110.4
Net-(D110-Pad2): length 5.4
  Top w0.25: D111.4 74.23,22.15 73.78,22.6 71.98,22.6 71.53,23.05 D110.2
Net-(D111-Pad2): length 5.4
  Top w0.25: D111.2 79.13,22.85 79.58,22.4 81.48,22.4 81.83,22.05 D112.4
Net-(D113-Pad4): length 5.5
  Top w0.25: D6.2 41.13,96.75 41.68,96.2 43.58,96.2 43.83,95.95 D113.4
Net-(J3-PadA5): length 3.3
  Top w0.15: R16.2 140.23,88.83 J3.A5
Net-(J3-PadA6): length 90.4
  Top w0.15: v1(166.45,54.8) 167.1,54.15 U2.4 ; J3.B6 138.23,92.93 137.85,93.31 137.85,94.65 138.1,94.9 138.9,94.9 139.22,94.58 139.22,93.92 139.23,93.92 J3.A6 139.23,90.93 v1(138.6,90.3)
  Bottom w0.15: v1(166.45,54.8) 165.75,55.5 133.28,55.5 127.08,61.7 127.08,85.4 131.98,90.3 v1(138.6,90.3)
Net-(J3-PadA7): length 84.8
  Top w0.15: v1(139.9,94.2) 139.9,93.4 139.73,93.23 J3.B7 ; 138.73,94.12 138.65,94.2 v1(138.65,94.2) 138.73,94.12 J3.A7 138.73,91.24 137.7,90.21 v1(137.7,89.7) ; v1(163.82,56.38) 166.6,53.6 U2.5
  Bottom w0.15: v1(138.65,94.2) 138.65,94.95 138.9,95.2 139.5,95.2 139.9,94.8 v1(139.9,94.2) ; v1(163.82,56.38) 162.65,57.55 134.55,57.55 129.18,62.92 129.18,85.4 133.48,89.7 v1(137.7,89.7)
Net-(J3-PadB5): length 3.4
  Top w0.15: R17.2 137.13,88.96 137.13,91.95 J3.B5
Net-(Q1-Pad1): length 3.8
  Top w0.15: R7.1 173.2,52.08 173.57,51.71 173.57,49.44 Q1.1
Net-(Q1-Pad2): length 9.9
  Top w0.15: R10.2 174.56,48.86 174.1,48.4 172,48.4 171.64,48.76 Q1.2 170.87,49.41 170.23,50.05 U2.24
Net-(Q2-Pad1): length 5.2
  Top w0.15: Q2.1 171.86,55.64 172.15,55.35 172.15,53.75 172.45,53.45 174.54,53.45 R10.1
Net-(Q2-Pad2): length 3.3
  Top w0.15: Q2.2 171.19,52.09 R7.2 171.15,52.05 U2.28
Net-(Q3-Pad1): length 1.5
  Top w0.25: R5.2 4.48,67.57
Net-(Q4-Pad3): length 5.9
  Top w0.15: R15.2 137.93,57.39 138.27,57.05 Q5.1 138.27,54.88 138.44,54.71 Q4.3
Net-(R6-Pad2): length 1.9
  Top w0.15: U2.9 164.25,51.55 163.62,50.92 R6.2
Net-(R8-Pad2): length 15.4
  Top w0.15: U2.19 167.6,46.28 168.58,45.3 175.58,45.3 176.81,46.53 R8.2
Net-(R9-Pad2): length 25.6
  Top w0.15: R9.2 176.95,51.55 177.5,51 179.75,51 180.15,50.6 180.15,45.6 179.05,44.5 168.45,44.5 167.1,45.85 U2.18
unconnected-(J3-PadS1): length 17
  Top w0.25: J3.S1 J3.S1 J3.S1 J3.S1

## Copper pours and planes (outline as drawn; the poured copper is in the pictures)
/elektronika.sch/GND on Top: 163,92 210,92 210,0 110,0 110,100 163,100
/elektronika.sch/GND on Bottom: 163,92 210,92 210,0 110,0 110,100 163,100
/ovladaci_prvky.sch/GND on Top: 52,87.5 89,87.5 89,91 100,91 100,0 0,0 0,100 52,100
/ovladaci_prvky.sch/GND on Bottom: 52,87.5 89,87.5 89,91 100,91 100,0 0,0 0,100 52,100

## Text on the board
F.Silkscreen: 20 | 70 | 00 | 30 | 10 | 40 | 60 | 80 | 50 | 90 | 01 | 21 | 31 | 61 | 71 | 81 | 11 | 41 | 51 | 91 | 22 | 82 | 42 | 02 | 12 | 52 | 62 | 72 | 32 | 92 | 83 | 13 | 23 | 33 | 03 | 73 | 43 | 63 | 93 | 53 | 34 | 44 | 14 | 24 | 64 | 74 | 84 | 94 | 04 | 54 | 45 | 25 | 55 | 75 | 85 | 05 | 15 | 35 | 95 | 65 | 56 | 76 | 46 | 16 | 26 | 36 | 86 | 66 | 06 | 96 | IO23 | 37 | 47 | 17 | 57 | 07 | 27 | 67 | 77 | 97 | 87 | 28 | 48 | 58 | 18 | 38 | 68 | 78 | 08 | 88 | 98 | 49 | 99 | 39 | 69 | 29 | 59 | 79 | 09 | 19 | 89 | Phototransistor | IO18 | IO4 | IO34 | IO21 | A | B | C | LEFT | IO32 | D | IO14 | IO17 | UP | ENTR | DWN | IO26 | RGT | IO13 | E | IO27 / BZ1 | RESET | IO25 | IO19 | IO27 | Power 3V3 | Power 5V | Logic v1.1-RH / by Robotárna | × | +
